# KiCad board AMC_FMC_Carrier-PcbDoc.kicad_pcb (continued)
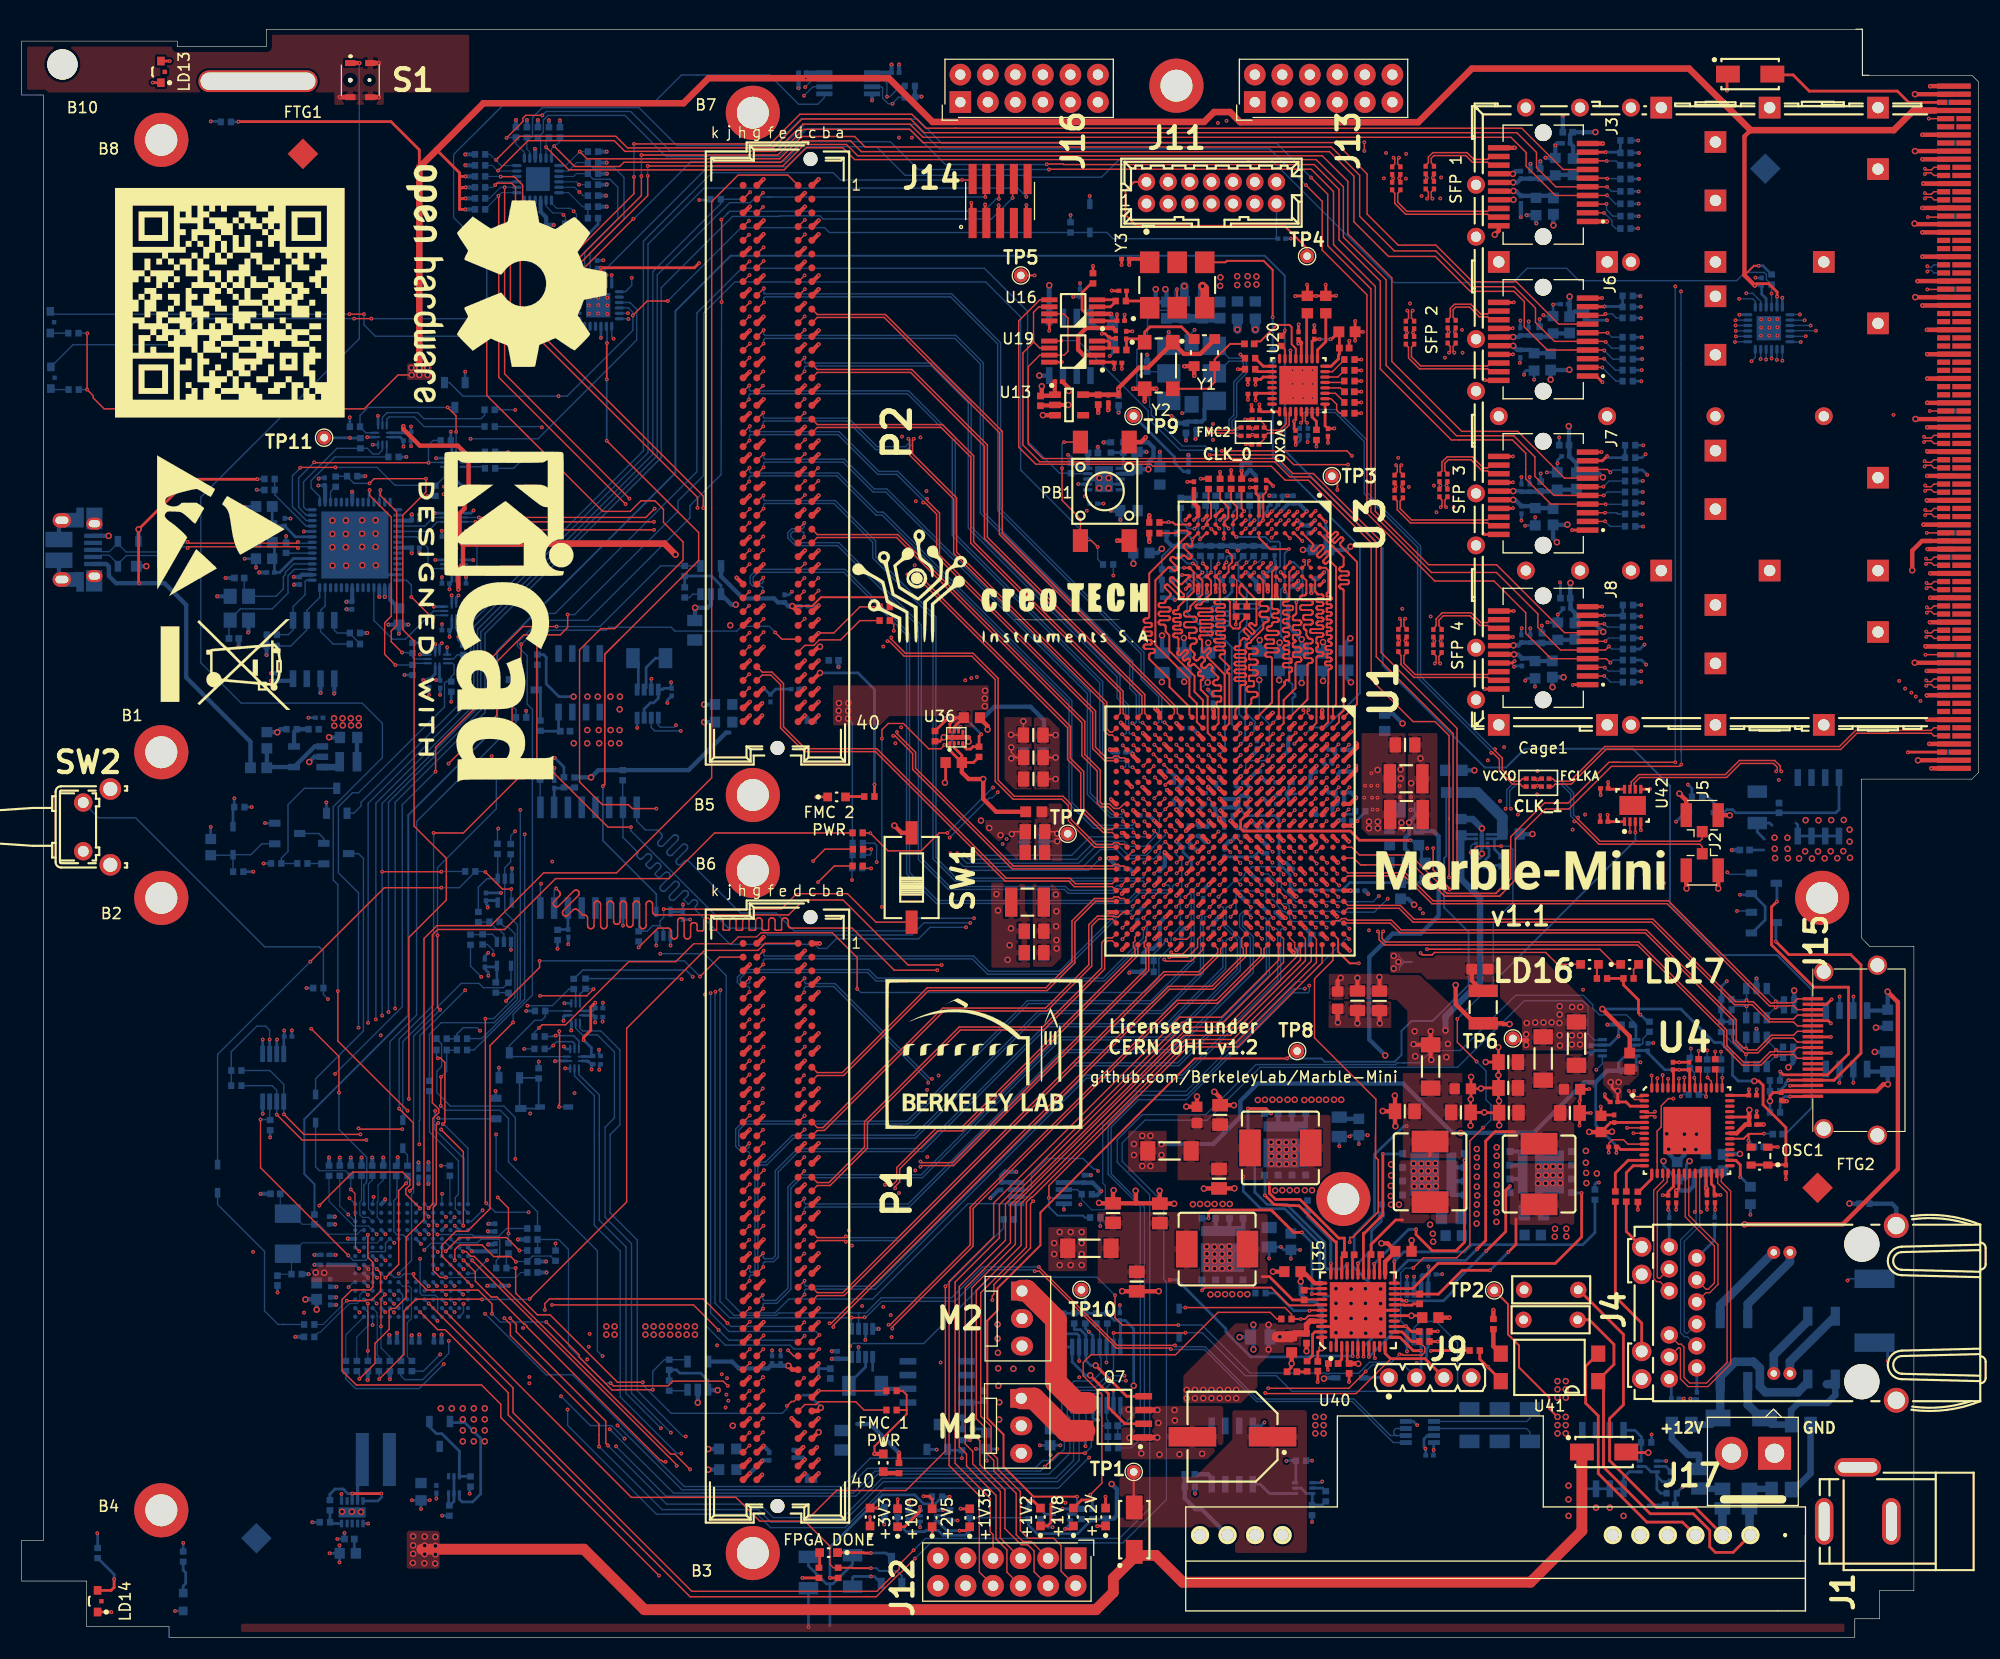
[diagram p0: board, top side]
## Routing (per net, layer and track width the routed paths; a pad name or vN(x,y) marks a point on that pad's centre or on a via; arc(x,y) is an arc through that point) (continued)
Net-(LD13-Pad2): length 9.5
  Top w0.254: v1(13.66,145.55) 13.65,145.56 LD13.2
  In2.Cu w0.254: v1(13.66,145.55) 13.66,142.79 16.46,139.99 v1(17.45,139.99)
  Bottom w0.254: v1(17.45,139.99) 18.33,139.99 R266.2
Net-(LD14-Pad1): length 51.7
  Top w0.254: v1(8.28,2.32) 8.26,2.34 LD14.1
  In2.Cu w0.127: v1(21.36,35.6) 9.88,24.12 9.88,6.21 8.7,5.03 8.66,5.03 8.66,4.99 8.28,4.61 v1(8.28,2.32)
  In5.Cu w0.127: v1(21.36,35.6) 26.31,40.55 v1(30.25,40.55)
  Bottom w0.127: v1(30.25,40.55) 30.79,40.01 U2.P1
Net-(LD14-Pad2): length 5
  Top w0.254: v1(8.53,5.37) 8.53,4.61 8.26,4.34 LD14.2
  Bottom w0.254: R267.2 7.03,7.31 8.53,5.81 v1(8.53,5.37)
Net-(LD15-Pad1): length 57.6
  Top w0.127: v1(27.47,39.87) 30.56,42.96 35.15,42.96 35.83,42.29 35.83,41.76 35.46,41.39 35.46,40.93 v1(36.78,39.61)
  In2.Cu w0.127: v1(27.47,39.87) 24.59,36.99 24.59,12.86 v1(14.15,2.43)
  Bottom w0.127: U2.N8 36.39,39.22 v1(36.78,39.61)
  Bottom w0.254: LD15.1 14.16,2.44 v1(14.15,2.43)
Net-(LD15-Pad2): length 3.1
  Bottom w0.254: R268.2 14.91,6.21 15.14,5.98 15.14,4.97 14.91,4.74 LD15.2
Net-(LD16-Pad1): length 30.9
  Top w0.127: LD16.1 141.76,62.15 140.66,63.25 130.41,63.25
  Top w0.15: 130.41,63.25 130.19,63.02 129.29,63.02 v1(129.11,63.2)
  Top w0.178: U1.C17 v1(120.53,68.46)
  In5.Cu w0.127: 129.71,65.85 129.68,67.63 128.32,68.98 123.9,68.98 123.36,68.45 122.65,68.45 122.4,68.7 120.78,68.7 v1(120.53,68.46)
  In5.Cu w0.15: 129.71,65.85 129.11,65.25 v1(129.11,63.2)
Net-(LD16-Pad2): length 1.4
  Top w0.178: R306.2 145.39,62 LD16.2
Net-(LD17-Pad1): length 42.3
  Top w0.127: 132.81,63.55 145.66,63.55 147.06,62.15 LD17.1
  Top w0.15: v1(131.8,69.06) 131.8,69.16 131.35,69.61 131.35,69.81 130.28,70.88 v1(130.28,72.88) ; 132.81,63.55 v1(129.71,63.55)
  Top w0.178: U1.D14 v1(119.53,71.46)
  In5.Cu w0.15: 130.91,73.51 v1(130.28,72.88) 129.59,72.19 128.57,72.19 ; v1(119.53,71.46) 120.26,72.19 128.57,72.19 ; 128.57,72.19 128.65,72.19 128.66,72.19 ; v1(129.71,63.55) 130.31,64.15 130.31,67.35 131.62,68.66 131.62,68.89 v1(131.8,69.06)
Net-(LD17-Pad2): length 1.5
  Top w0.15: R307.2 148.78,61.69 LD17.2
Net-(M1-Pad1): length 7.1
  Top w2: 92.28,22.06 93.43,22.06 96.42,19.08 98.09,19.08
Net-(M1-Pad3): length 15.7
  Top w0.254: 92.28,16.98 92.43,16.98
  In2.Cu w0.254: 92.28,16.98 92.43,16.98 96.37,20.92 96.37,24.27 v1(97.61,25.51)
  In5.Cu w0.254: 92.28,16.98 92.43,16.98
  Bottom w0.254: R175.2 96.14,28.38 96.49,28.03 97.42,28.03 97.6,27.85 U27.2 97.6,25.53 v1(97.61,25.51)
Net-(M2-Pad1): length 13.8
  Top w2: 92.3,32.02 92.78,32.02 95.47,29.33 95.47,23.56 97.37,21.65 98.41,21.65
Net-(M2-Pad3): length 9.2
  In2.Cu w0.254: v1(98.49,28.22) 97.2,26.94 92.3,26.94
  Bottom w0.254: R177.2 98.17,28.54 v1(98.49,28.22) 98.49,28.22 98.87,27.85 U27.4 98.85,26.79
Net-(P1-Padc34): length 7.1
  Top w0.127: v1(73.56,22.77) R297.2
  Top w0.381: v1(73.56,22.77) 72.96,22.17 P1.c34
Net-(P1-Padd35): length 8.8
  Top w0.127: R298.2 77.75,20.99 76.99,21.75 73.56,21.75 73.3,21.5 72.29,21.5 71.69,20.9 P1.d35
Net-(P2-Padc34): length 7.5
  Top w0.127: R299.2 77.37,95.16 74.95,92.75 v1(73.56,92.75)
  Top w0.381: v1(73.56,92.75) 72.99,92.18 P2.c34
Net-(P2-Padd35): length 8.8
  Top w0.127: R300.2 77.37,93.89 75.59,92.11 73.62,92.11 73.11,91.6 72.29,91.6 71.67,90.98 P2.d35
Net-(Q1-Pad2): length 6
  Bottom w0.254: 150.93,14.88 150.93,13.66 151.28,13.31 R104.1 ; 150.93,14.88 151.45,14.36 R107.1 ; 150.93,14.88 Q1.6 150.39,15.29 149.89,15.79 Q1.2
Net-(Q1-Pad3): length 4.2
  Bottom w0.254: 147.85,19.12 148.9,19.12 149.5,18.52 149.5,18.03 R108.1 149.48,16.42 Q1.3
Net-(Q1-Pad5): length 1.5
  Bottom w0.254: R107.2 151.75,15.79 Q1.5
Net-(Q6-Pad3): length 16.6
  Top w0.127: v1(40.1,111.31) 40.09,111.32 40.09,112.8 v1(39.32,113.58)
  Bottom w0.127: U26.2 40.1,111.31 v1(40.1,111.31) ; U33.2 31.77,111.24 31.23,111.78 R204.2 31.23,112.84 31.97,113.58 v1(39.32,113.58) 40.04,113.58 40.1,113.51
Net-(Q7-Pad2): length 14.3
  Top w0.254: v2(98.63,24.19) 98.63,24.18 100.31,22.51 100.31,21.25 101.83,19.72 103.56,19.72
  Bottom w0.254: R174.2 95.12,28.2 96.51,26.82 U27.1 96.96,25.43 98.2,24.19 v2(98.63,24.19)
Net-(Q7-Pad4): length 10.9
  Top w0.254: v2(99.14,25.11) 101.98,22.26 Q7.4
  Bottom w0.254: R176.2 97.15,28.44 97.18,28.41 97.73,28.41 98.23,27.9 U27.3 98.23,25.55 98.68,25.11 v2(99.14,25.11)
Net-(Q8-Pad3): length 3.5
  Bottom w0.254: Q8.3 85.13,19.65 85.55,19.24 R202.2 R213.1
Net-(Q9-Pad3): length 5
  Bottom w0.254: R214.1 47.88,87.26 47.83,87.31 ; Q9.3 47.57,87.56 47.57,89.78
Net-(Q14-Pad1): length 1.5
  Bottom w0.127: R269.2 27.85,71.46 Q14.1
Net-(Q14-Pad2): length 2.9
  Bottom w0.127: Q14.2 27.88,73.78 27.43,74.23 Q18.3
Net-(Q15-Pad2): length 4.1
  Bottom w0.254: Q15.2 Q15.5 39.9,12.56 39.51,12.17 R171.1 39.4,12.23 Q15.6
Net-(Q15-Pad3): length 7.4
  Bottom w0.254: 37.48,19.83 37.48,19.61 38.28,18.81 38.79,18.81 40.4,17.19 Q15.3 41.34,14.87 41.35,14.86
Net-(Q16-Pad5): length 4.4
  Bottom w0.254: U17.1 78.55,24.64 ; 78.92,23.66 R182.1
  Bottom w0.4: Q16.6 79.63,22.95 R182.1
Net-(Q17-Pad3): length 13.2
  Bottom w0.127: U9.2 45.35,53.63 Q17.3 45.01,54.62 47.37,56.98 48.01,56.98 48.32,57.3 R131.2 48.33,57.84 U8.2
Net-(Q22-Pad2): length 4.3
  Bottom w0.254: R184.1 120.04,12.22 R181.1 119.12,12.25 Q22.6 118.58,13.28 118.08,13.78 Q22.2
Net-(Q22-Pad3): length 8.6
  In2.Cu w0.254: v1(114.71,19.85) 116.23,18.33 116.23,16.8 v1(116.74,16.29)
  Bottom w0.254: Q22.3 117.61,14.35 R212.1 116.77,16.32 v1(116.74,16.29) ; Q4.4 114.39,19.53 v1(114.71,19.85)
Net-(Q22-Pad5): length 1.4
  Bottom w0.254: Q22.5 120.07,13.78 R184.2
Net-(Q23-Pad5): length 3.2
  Bottom w0.254: U32.1 56.92,87.63 56.92,89.93 R183.1
Net-(Q24-Pad1): length 21.1
  Bottom w0.127: Q24.1 30.65,76.1 31.32,76.77 31.32,77.1 40.77,86.55 R273.2 40.22,90.73 39.84,90.35 U24.4
Net-(Q24-Pad3): length 12.3
  Bottom w0.127: Q24.3 26.09,78.4 24.59,76.9 24.59,72.58 23.96,71.96 R271.1 R269.1
Net-(Q26-Pad2): length 1.4
  Bottom w0.254: 84.5,11.24 85.13,11.24 85.63,11.73 R247.2
Net-(Q26-Pad5): length 1.2
  Bottom w0.254: 82.92,11.24 82.3,11.24 R250.2
Net-(Q27-Pad2): length 1.3
  Bottom w0.254: 96.73,11.37 97.26,11.37 97.71,10.92 R253.2
Net-(Q27-Pad5): length 1.3
  Bottom w0.254: R255.2 94.5,11.37 95.14,11.37
Net-(R28-Pad1): length 2.9
  Top w0.118: U3.L8 112.15,97.6 112.15,97.08 112.14,97.07 112.14,95.66 112.09,95.61 R28.1
Net-(R30-Pad1): length 2.9
  Bottom w0.254: R30.1 R31.1 101.68,107.97 101.68,107.96 U31.1
Net-(R43-Pad1): length 2.4
  Bottom w0.102: R43.1 46.4,130.56 46.9,131.06 U5.23
Net-(R44-Pad1): length 2.2
  Bottom w0.102: U5.22 47.4,130.56 R44.1
Net-(R64-Pad1): length 11.8
  Top w0.127: U4.8 148.77,46.55 v1(148.77,46.55)
  In2.Cu w0.127: v1(149.4,53.1) 149.4,51.7 148.94,51.24 148.39,51.24 147.86,50.71 147.86,47.94 148.77,47.03 v1(148.77,46.55)
  Bottom w0.127: 148.98,52.32 148.98,53.08 149,53.1 v1(149.4,53.1)
  Bottom w0.254: 149.02,53.66 149.02,52.36 148.98,52.32 R64.1
Net-(R65-Pad2): length 2.3
  Top w0.254: U4.15 150.46,42.35 149.26,41.15 R65.2
Net-(R66-Pad2): length 3.6
  Top w0.254: v1(158.62,42.49) 158.62,43.64 158.21,44.05 U4.30
  Bottom w0.254: R66.2 158.67,42.49 v1(158.62,42.49)
Net-(R67-Pad2): length 3.7
  Top w0.254: R67.2 148.11,42.91 148.74,43.55 U4.14
Net-(R92-Pad2): length 3.8
  Top w0.254: U16.4 100.87,123.52 R92.2 100.98,123.34 100.5,122.87 U16.3
Net-(R93-Pad2): length 3.6
  Top w0.254: R93.2 100.86,119.06 100.41,119.06 ; U19.3 100.41,119.06 ; 100.41,119.06 100.41,119.55 100.26,119.71 U19.4
Net-(R94-Pad2): length 1.8
  Top w0.254: U20.7 119.11,112.69 119.51,112.29 R94.2
Net-(R95-Pad1): length 1.3
  Top w0.178: R95.1 116.61,118.9 U20.23
Net-(R96-Pad2): length 1.9
  Top w0.254: U20.25 114.59,117.38 R96.2
Net-(R97-Pad2): length 1.6
  Top w0.254: U20.26 114.08,116.88 R97.2
Net-(R98-Pad2): length 1.8
  Top w0.127: R98.2 121.95,115.88 U20.13
Net-(R99-Pad2): length 2
  Top w0.127: R99.2 122.08,116.98 121.48,116.38 U20.14
Net-(R100-Pad2): length 2.3
  Top w0.127: U20.15 120.99,116.88 122.08,117.98 R100.2
Net-(R101-Pad2): length 2.7
  Top w0.127: R101.2 121.64,113.04 121.37,113.31 121.37,113.87 120.86,114.38 U20.10
Net-(R102-Pad2): length 2.1
  Top w0.127: R102.2 122.08,114.05 121.25,114.88 U20.11
Net-(R103-Pad1): length 14.1
  Top w0.178: Y3.4 111.1,126.98 111.24,127.11 114.63,127.11 115.47,126.28 v1(115.47,121.91)
  Bottom w0.178: v1(115.47,121.91) R103.1
Net-(R109-Pad2): length 2.2
  Bottom w0.254: R109.2 28.46,11.72 R110.1 28.58,10.51 U18.5
Net-(R112-Pad2): length 6.1
  Bottom w0.127: R112.2 R116.1 23.35,105.52 26.25,102.63 U23.11
Net-(R113-Pad2): length 3.9
  Bottom w0.127: R114.1 31.23,91.75 30.29,92.69 R113.2 29.13,92.75 28.85,93.02 U21.4
Net-(R114-Pad2): length 7.4
  Bottom w0.127: U23.55 28.01,95.24 28,95.24 27.58,94.83 U21.3 27.58,92.89 28.74,91.73 R114.2
Net-(R115-Pad2): length 7.8
  Bottom w0.127: R115.2 24.83,91.54 26.31,93.02 26.31,94.83 27.51,96.02 U23.56
Net-(R117-Pad2): length 7.3
  Bottom w0.127: U23.1 26.28,97.63 26.16,97.5 26.16,96.29 25.04,95.17 U21.1 25.04,93.02 24.62,92.6 R117.2
Net-(R118-Pad2): length 2.8
  Bottom w0.4: R118.2 R119.1 25.14,83.61 U22.5
Net-(R120-Pad2): length 2.4
  Bottom w0.127: U23.6 24.43,100.13 R120.2
Net-(R121-Pad2): length 21.9
  Top w0.127: 34.51,89.8 v1(34.49,89.79) 33.5,90.78 33.5,93.69 34.11,94.29 34.11,103.45 32.11,105.45 v1(32.11,105.95)
  Bottom w0.127: U24.8 36.23,89.95 R121.2 36.07,89.79 v1(34.49,89.79) ; U23.24 32.01,105.84 v1(32.11,105.95)
Net-(R122-Pad2): length 21.5
  Top w0.127: v1(28.97,108.04) 25.74,108.04 v1(25.7,108)
  Bottom w0.127: U26.8 39,107.15 38.24,106.39 34.45,106.39 32.8,108.04 v1(28.97,108.04) ; v1(25.7,108) 25.53,107.83 25.53,107.8 24.99,107.26 24.99,104.42 26.28,103.13 U23.12
Net-(R123-Pad2): length 20.3
  Top w0.127: v1(35.11,90.95) 34.11,91.95 34.11,92.95 34.61,93.45 34.61,103.95 33.11,105.45 v1(33.11,105.95)
  Bottom w0.127: U24.9 36.21,90.35 36.08,90.48 R123.2 35.64,90.89 35.59,90.95 v1(35.11,90.95) ; v1(33.11,105.95) 33.01,105.84 U23.26
Net-(R124-Pad2): length 21.3
  Top w0.127: v1(37.55,108.47) 27.04,108.47 v1(27,108.51)
  Bottom w0.127: U23.13 26.28,103.63 25.56,104.35 25.56,107.06 26.82,108.32 26.82,108.33 v1(27,108.51) ; R124.2 37.97,110.53 37.55,110.11 v1(37.55,108.47) 37.58,108.5 U26.9
Net-(R125-Pad2): length 12.6
  Bottom w0.127: U23.14 26.28,104.13 26.02,104.39 26.02,106.72 29.11,109.8 R125.2 31.9,109.8 32.42,109.28 32.95,109.28 33.3,109.64 U33.9
Net-(R126-Pad2): length 11.5
  Bottom w0.127: U33.8 33.7,109.15 R126.2 28.9,109 26.72,106.82 26.72,106.14 27.51,105.35 U23.15
Net-(R135-Pad2): length 9.2
  Bottom w0.102: v1(38.38,37.2) 38.18,37.4
  Bottom w0.127: 38.18,37.4 37.99,37.59 U2.L10 ; v1(38.38,37.2) 41.57,37.2 41.72,37.05 44.04,37.05 44.75,37.76 R135.2
Net-(R136-Pad2): length 2.6
  Bottom w0.102: R136.2 39.52,40.07 U2.P12
  Bottom w0.127: U2.P12 39.59,40
Net-(R148-Pad2): length 8.2
  Bottom w0.102: 35.17,30.76 35.17,26.09 35,25.92 R148.2 ; 35.17,30.76 35.17,31.27 ; 35.17,30.76 35.17,31.63 ; 35.17,31.27 35.17,31.37 ; 35.17,31.27 35.17,31.63 ; 35.17,31.63 U2.D6
  Bottom w0.127: 35.15,31.64 34.79,32 U2.D6
Net-(R149-Pad2): length 8.5
  Bottom w0.102: U2.E6 35.17,32.43 35.77,32.43 35.97,32.23 35.97,29.42 35.59,29.05 35.59,25.93 36,25.53 R149.2
  Bottom w0.127: U2.E6 34.8,32.81
Net-(R150-Pad2): length 4.8
  Bottom w0.102: R150.2 29.92,27.94 U2.A2
  Bottom w0.127: U2.A2 31.59,29.61
Net-(R151-Pad2): length 10.8
  Top w0.127: v1(35.49,41.93) 34.8,41.24 34.8,34.43 v1(33.58,33.21)
  Bottom w0.127: v1(33.58,33.21) 33.19,33.6 U2.F4 ; v1(35.49,41.93) 35.61,42.06 R151.2
Net-(R152-Pad2): length 10.1
  Top w0.127: v1(32.77,34.02) 33.13,33.66 33.13,31.98 32.32,31.16 31.79,31.16 31.72,31.09 v1(30.01,31.09)
  Bottom w0.102: v1(30.01,31.09) 27.81,28.89 R152.2
  Bottom w0.127: U2.G3 32.39,34.4 v1(32.77,34.02)
Net-(R153-Pad2): length 5.2
  Bottom w0.102: 32.81,29.67 32.81,26.08 32.97,25.92 R153.2 ; 32.81,29.67 32.81,29.74 ; 32.81,29.67 32.81,29.98 U2.B3
  Bottom w0.127: U2.B3 32.39,30.39
Net-(R154-Pad2): length 5.6
  Bottom w0.102: 31.85,30.14 31.9,30.09 ; 31.9,30.09 31.9,30.09 U2.B2 ; 31.9,30.09 32.01,29.98 32.01,28.82 30.94,27.75 R154.2
  Bottom w0.127: U2.B2 31.59,30.4
Net-(R155-Pad2): length 9.1
  Top w0.127: v1(39.14,35.65) 40.41,36.92 44.75,36.92 v1(45.95,35.72)
  Bottom w0.102: R155.2 v1(45.95,35.72)
  Bottom w0.127: U2.J11 38.79,36 v1(39.14,35.65)
Net-(R156-Pad2): length 4.8
  Top w0.254: R156.2 147.09,42.86 148.28,44.05 U4.13
Net-(R161-Pad1): length 10.5
  Top w0.4: v1(117.41,78.33) 117.04,77.96 U1.F8
  In2.Cu w0.254: v1(117.41,78.33) 117.83,77.91 118.73,77.91 119.01,77.64 119.01,75.21 119.29,74.93 122.02,74.93 122.47,75.37 v1(123.29,75.37)
  Bottom w0.254: 123.99,76.19 123.29,75.49 v1(123.29,75.37)
Net-(R168-Pad2): length 8.7
  Top w0.254: v1(88.57,83.4) 88.37,83.2 R168.2 87.8,82.25 87.59,82.03 87.2,82.03 86.87,82.36 U36.4 ; v1(85.24,84.87) 85.24,84.63 R189.1
  Bottom w0.254: v1(88.57,83.4) 87.1,84.87 v1(85.24,84.87)
Net-(R190-Pad2): length 5.9
  Top w0.178: v1(118.87,30.16) 118.91,30.21 U35.39
  Bottom w0.254: R190.2 115.8,31.79 117.42,30.16 v1(118.87,30.16)
Net-(R191-Pad2): length 8.5
  Top w0.254: v1(120.83,34.5) 120.84,34.49 U35.33
  Bottom w0.254: 120.81,36.3 120.83,36.28 v1(120.83,34.5) 120.83,36.71 118.69,38.86 R191.2
Net-(R192-Pad2): length 6.4
  Top w0.254: v1(123.34,34.54) 123.34,34.54 U35.28
  Bottom w0.254: R192.2 125.5,38.44 124.59,37.53 124.59,35.78 v1(123.34,34.54)
Net-(R193-Pad2): length 3.6
  Top w0.254: U35.43 119.37,28.21 119.15,27.99 119.15,26.01 R193.2
Net-(R194-Pad2): length 25.4
  Top w0.254: U35.22 v1(126.69,34.7)
  Bottom w0.254: 126.57,35.42 126.69,35.3 v1(126.69,34.7) 127.59,35.6 133.17,35.6 133.83,36.26 144.09,36.26 145.21,37.38 R194.2
Net-(R195-Pad2): length 3.3
  Bottom w0.254: U37.4 135.43,72.81 135.43,72.14 135.14,71.85 R196.1 136.51,71.28 R195.2
Net-(R197-Pad2): length 7.6
  Bottom w0.4: U40.9 108.92,11.82 108.36,11.82 107.35,12.83 R198.1 107.35,15.02 R197.2
Net-(R200-Pad2): length 1.6
  Bottom w0.127: R200.2 28.96,106.25 28.51,105.8 U23.17
Net-(R210-Pad2): length 2.6
  Bottom w0.127: U30.1 47.85,76.67 R210.2
Net-(R259-Pad2): length 1.6
  Bottom w0.127: U44.3 61.95,96.32 61.94,96.33 61.64,96.02 R259.2
Net-(R261-Pad2): length 1.7
  Bottom w0.127: U45.3 61.36,22.77 R261.2
Net-(R262-Pad2): length 1.8
  Bottom w0.127: R262.2 150.24,55.89 149.63,55.28 149.63,54.85 149.53,54.75 149.24,54.75
Net-(R263-Pad2): length 260.3
  In2.Cu w0.127: 166.17,32.96 154.79,21.58 115.59,21.58 109.02,15 107.21,15 100.99,8.78 81.79,8.78 80.72,9.84 69.37,9.84 68.36,10.86 53.82,10.86 40.66,24.02 37.49,24.02 34.44,27.06 32.61,27.06 31.75,27.93 26.52,27.93 25.32,29.12 25.32,35.98 28.12,38.77 28.12,39.71 27.41,40.42 27.41,58.08 v1(28.27,58.94) 34.64,58.94 37.98,55.61 37.98,48.8 v1(38.16,48.61)
  In2.Cu w0.15: 166.17,32.96 v1(168.53,32.96)
  Bottom w0.127: 27.46,63.77 22.43,63.77 10.51,75.68 7.1,75.68 SW2.2 ; 27.46,63.77 27.85,63.37 ; 27.46,63.77 27.77,63.45 ; 27.77,63.45 27.81,63.41 ; 27.77,63.45 27.85,63.37 ; 40.82,44.2 38.11,46.92 38.11,48.31 38.16,48.37 v1(38.16,48.61) ; 40.82,44.2 40.82,39.57 U2.N14 ; 40.82,44.2 40.82,44.23 ; 27.85,63.37 R263.2 27.85,59.36 v1(28.27,58.94) ; 169.7,32.96 169.7,32.96 172.24,32.96
  Bottom w0.15: v1(168.53,32.96) 168.68,33.11 SW3.2
Net-(R274-Pad2): length 4.3
  Bottom w0.102: R42.1 51.76,132.12 50.47,133.41 U5.18
  Bottom w0.127: R42.1 R274.2
Net-(R281-Pad1): length 2.5
  Top w0.4: U41.3 135.84,26.88 R281.1
Net-(R283-Pad2): length 35.7
  Top w0.112: v1(106.53,74.49) 106.05,74.96 U1.U11
  Top w0.13: R286.1 78.31,74.28 v1(78.33,74.26) 79.96,72.63 83.03,72.63 84.68,74.28 v1(85.44,74.28)
  In2.Cu w0.127: v1(106.53,74.49) 105.88,75.13 105.88,75.64 105.7,75.82 104.23,75.82 104.07,75.97 101.37,75.97 100.97,76.37 91.22,76.37 89.66,77.93 v1(89.66,78.47)
  Bottom w0.127: v1(85.44,74.28) 89.64,78.47 v1(89.66,78.47)
  Bottom w0.13: v1(78.33,74.26) 77.66,74.26 R283.2
Net-(R284-Pad1): length 32.3
  Top w0.127: v1(78.41,72.78) R287.1
  Top w0.13: v1(105.54,75.48) 106.02,75.96 U1.U10
  In2.Cu w0.127: v1(105.54,75.48) 105.54,74.96 104.45,73.88 97.46,73.88 96.64,73.05 92.27,73.05 91.61,73.71 91.16,73.71 91.16,73.72 v1(90.91,73.72)
  In5.Cu w0.127: 90.8,72.78 78.41,72.78 v1(78.41,72.78)
  In5.Cu w0.15: v1(90.91,73.72) 90.91,72.88 90.8,72.78
  Bottom w0.13: v1(78.41,72.78) 78.41,72.38 78.28,72.25 R284.1
Net-(R285-Pad1): length 33.5
  Top w0.13: v1(78.41,71.01) 77.86,71.01 R288.1 ; v1(105.56,76.47) 106.03,76.94 U1.U9
  In5.Cu w0.13: 85.67,71.01 v1(78.41,71.01)
  In5.Cu w0.15: v1(86.97,72.3) 85.67,71.01
  Bottom w0.127: v1(86.97,72.3) 87.43,71.84 97.38,71.84 99.06,73.52 101.75,73.52 102.22,73.05 103.72,73.05 104.77,74.1 104.77,74.16 105,74.38 105,75.91 v1(105.56,76.47)
  Bottom w0.13: v1(78.41,71.01) 78.36,71.06 R285.1
Net-(R291-Pad1): length 1.7
  Top w0.13: U4.43 156.96,51.66 v1(156.97,51.68)
  Bottom w0.13: R291.1 156.97,52.3 v1(156.97,51.68)
Net-(R292-Pad1): length 1.6
  Top w0.127: v1(155.47,49.92) 155.47,50.74 U4.46
  Bottom w0.127: v1(155.47,49.92) 155.27,50.13 R292.1
Net-(R293-Pad1): length 1.8
  Top w0.127: U4.44 156.46,52.3 R293.1
Net-(R294-Pad1): length 1.8
  Top w0.127: v1(155.6,51.7) 155.96,51.34 U4.45
  Bottom w0.127: R294.1 155.6,52.4 v1(155.6,51.7)
Net-(R295-Pad1): length 1.8
  Top w0.127: R295.1 154.96,52.28 U4.47
Net-(R296-Pad1): length 2
  Top w0.127: U4.48 154.46,51.6 v1(154.38,51.68)
  Bottom w0.127: R296.1 154.38,52.17 v1(154.38,51.68)
Net-(R311-Pad2): length 43
  Top w0.127: 119.73,61.99 112.27,54.52 107.62,54.52 94.81,41.71 v1(94.81,40.58)
  Top w0.13: U1.C22 120.03,62.28 119.73,61.99
  Bottom w0.127: v1(94.81,40.58) 96.08,40.58 U47.3
  Bottom w0.178: R311.2 98.15,38.76 97.96,38.95 95.61,38.95 94.81,39.75 v1(94.81,40.58)
Net-(R312-Pad2): length 43.4
  Top w0.102: U1.A21 122.04,64.96 v1(122.51,64.48)
  Bottom w0.102: R312.2 97.84,40.41 98.76,39.48 99.91,39.48 100.01,39.59 100.01,41.71 99.79,41.94 99.79,47.55 102.67,50.43 107.48,50.43 117.61,60.56 118.28,60.56 122.2,64.48 v1(122.51,64.48)
  Bottom w0.127: U47.2 97.41,41.35 97.42,41.35 97.42,41.35 97.84,40.94 R312.2
Net-(R313-Pad1): length 206.1
  Top w0.127: v1(58.59,76.53) 56.37,76.53 56,76.9 53.59,76.9 51.49,79 51.49,91.18 53.46,93.15 54.73,93.15 61.05,99.47 61.05,101.16 59.24,102.96 59.24,104.17 58.45,104.95 57.15,104.95 56.18,103.97 53.64,103.97 42.93,114.69 v1(42.93,122.92)
  In2.Cu w0.127: v1(58.95,63.13) 58.95,66.08 58.59,66.44 v1(58.59,76.53)
  Bottom w0.127: 62.41,144.28 60.9,144.28 58.49,141.86 44.8,141.86 39.87,136.93 39.87,131.11 42.93,128.05 v1(42.93,122.92) ; 62.41,144.28 69.01,144.28 71.71,141.58 73.48,141.58 74.09,142.18 U46.5 ; 62.41,144.28 62.27,144.28 ; v1(58.95,63.13) 63.01,63.13 65.03,61.11 65.03,31.32 66.38,29.96 69.54,29.96 70.83,31.25 78.55,31.25 87.34,40.05 U47.5 91.79,38.86 91.56,38.64
Net-(U4-Pad7): length 9.6
  Top w0.127: v1(148.18,47.05) 148.19,47.05 U4.7
  In2.Cu w0.127: v1(145.34,52.41) 145.34,49.9 v1(148.18,47.05)
  Bottom w0.127: v1(145.34,52.41) 145.9,52.97 145.9,53.71
Net-(U15-Pad8): length 6.4
  Bottom w0.127: U23.34 36.46,101.63 37.5,100.58 37.5,99.03 37.84,98.7 U15.8
Net-(U23-Pad32): length 4.6
  Bottom w0.127: U38.9 37.98,103.42 37.19,102.63 U23.32
Net-(U23-Pad33): length 4.7
  Bottom w0.127: U23.33 37.47,102.13 38.36,103.02 U38.8
Net-(U23-Pad42): length 6.5
  Top w0.127: v1(35.97,96.06) 35.98,96.06 v1(37.95,94.09)
  Bottom w0.127: U25.8 38.23,94.38 v1(37.95,94.09) ; U23.42 35.51,97.63 35.97,97.17 v1(35.97,96.06)
Net-(U23-Pad46): length 11.3
  Bottom w0.127: U23.46 32.51,93.91 34.24,92.18 35.42,92.18 38.02,94.78 U25.9
Net-(U40-Pad3): length 23.9
  Top w0.254: U40.3 153.28,10.64 150.01,10.64 145.52,15.13 145.52,20.46 144.36,21.63 144.36,25.03 145.6,26.28 146,26.28

## Copper pours and planes (outline as drawn; the poured copper is in the pictures)
+1V0 on Top: 141.58,54.19 145.16,54.19 145.16,57.92 139.75,63.33 136.6,63.36
+1V0 on Top: 134.77,63.33 134.77,60.74 138.63,56.88 142.47,56.88 142.47,57.77 136.88,63.33
+1V0 on Top: 138.48,54.19 142.47,54.19 142.47,57.24 138.48,57.24
+1V0 on Top: 123.67,83.5 127.74,83.5 127.74,74.05 124.28,74.05 123.67,74.66
+1V0 on Bottom: 123.82,74.38 127.76,74.38 127.76,76.62 124.41,76.62 124.41,75.76 123.82,75.76
+1V0 on Bottom: 115.09,90.11 115.09,84.65 116,83.73 116,76.16 105.94,76.16 105.94,86.65 104.29,88.3 104.29,90.11
+1V0 on In2.Cu: 116.61,80.05 116.61,74.71 106.45,74.71 106.45,80.05
+1V0 on In4.Cu: 143.41,54.01 145.82,54.01 145.9,70.52 143.92,72.33
+1V0 on In4.Cu: 143.97,54.01 143.97,72.3 132.26,84.01 127.35,84.01 125.75,73.7 135.74,63.79 135.74,54.01
+1V0 on In4.Cu: 106.1,75.78 115.44,75.78 116.66,74.54 117.42,73.75 127.76,73.75 127.76,84.01 122.73,84.01 118.87,80.15 106.1,80.15
+1V0 on In5.Cu: 117.25,80.2 121.21,84.16 127.18,84.16 127.79,83.55 127.79,74.38 127.15,73.75 105.69,73.75 105.69,77.99 107.9,80.2
+1V35 on Top: 94.77,37.88 98.32,37.88 98.32,33.82 94.77,33.82
+1V35 on In4.Cu: 105.49,105.88 118.82,105.88 123.67,101 123.65,85.46 118.59,80.44 108.48,80.42 108.51,80.94 108.5,84.2 107.59,85.13 92.51,85.13 88.87,81.5 88.67,48.3 99.08,37.88 99.08,33.57 91.46,33.57 81.3,43.73 81.3,86.91 86.99,92.57 103.22,92.6 103.22,105.89
+1V35 on In4.Cu: 103.22,105.65 103.23,108.34 105.3,108.34 105.3,105.64
+2V5 on Top: 89.25,85.66 89.25,87.92 74.9,87.92 74.9,84.21 79.22,84.21 80.09,85.08 85.34,85.08 86.38,84.04 88.75,84.04 89.28,84.57
+2V5 on Top: 102.13,46.77 105.69,46.77 105.69,42.96 102.13,42.96
+2V5 on Top: 93.42,84.95 94.74,84.95 95.81,83.88 95.81,78.3 93.42,78.3
+2V5 on Top: 93.29,69.61 95.12,69.61 95.96,68.77 95.96,62.75 95.12,61.91 93.34,61.91
+2V5 on Bottom: 65.15,20.03 69.65,20.03 69.65,14.59 65.18,14.59
+2V5 on Bottom: 64.74,87.13 77.95,87.13 77.95,83.25 64.74,83.25
+2V5 on Bottom: 93.52,83.5 93.52,85.2 93.01,85.71 90.32,85.71 89.28,84.67 88.26,84.67 88.26,87.79 94.92,87.79 95.83,86.91 95.83,83.45
+2V5 on Bottom: 93.52,83.73 95.5,83.73 95.83,83.71 95.83,78.8 93.52,78.8
+2V5 on Bottom: 93.34,67.47 95.96,67.47 95.96,62.75 95.12,61.91 93.34,61.91
+2V5 on In2.Cu: 74.95,86.75 76.35,86.75 76.81,86.3 76.81,84.24 74.95,84.24
+2V5 on In4.Cu: 95.07,84.8 95.07,62.06 106.45,62.01 106.45,41.95 88.92,41.95 88.92,84.8
+2V5 on In4.Cu: 116.56,72.53 116.56,61.68 93.09,61.68 93.09,72.5 93.06,72.53
+2V5 on In4.Cu: 98.63,75.81 105.89,75.78 105.89,80.28 108.33,80.28 108.33,84.8 92.91,84.8 92.94,75.76
+3V3 on Top: 132.18,58.2 132.18,52.72 127.89,52.72 127.89,57.87 126.9,58.86 126.42,58.86 126.42,58.84 120.65,58.84 120.65,61.28 128.93,61.28
+3V3 on Bottom: 104.16,125.03 106.27,125.03 106.27,122.69 104.16,122.69
+3V3 on Bottom: 120.6,61.4 123.88,61.4 123.88,58.76 120.6,58.76
+3V3 on In4.Cu: 176.22,143.93 180.11,143.93 180.11,80.05 176.1,80.05
+3V3 on In4.Cu: 146,62.75 146.1,70.8 132.49,84.37 123.8,84.34 123.75,101.1 118.8,106.18 105.56,106.21 105.56,108.62 103.02,108.62 103.02,92.87 87.05,92.87 81.05,86.91 81.05,43.6 48.54,43.6 48.54,53.76 44.35,57.95 44.35,82.97 45.36,83.98 61.24,83.98 70.38,93.13 70.38,95.92 43.59,95.92 43.59,118.02 2.82,118.02 2.82,142.15 41.81,142.15 41.81,146.34 169.44,146.34 169.44,143.93 176.3,143.93 176.3,80.05 169.06,80.05 169.06,62.78
+3V3 on In4.Cu: 50.7,20.1 50.7,1.94 171.22,1.94 171.22,4.61 173.63,4.61 173.63,62.9 144.3,62.9 144.3,53.76 135.53,53.76 135.53,63.03 129.56,68.87 128.42,68.87 128.42,61.12 116.99,61.12 116.99,61.51 106.7,61.51 106.7,41.69 99.34,41.69 99.34,33.31 91.59,33.31 80.16,44.74 48.54,44.74 48.54,41.19 50.7,39.03 50.7,26.45 115.21,26.45 117.75,28.99 130.45,28.99 130.45,22.01 118.26,22.01 116.36,20.1 71.53,20.1 71.14,20.48 70.76,20.48 70.38,20.1
+3V3 on In4.Cu: 116.84,52.67 132.21,52.67 132.21,59.63 130.5,61.33 116.84,61.33
+3V3 on In4.Cu: 124.13,71.72 124.13,63.44 126.9,60.67 126.9,58.58 116.86,58.58 116.86,71.72
+3V3_CLEAN on Bottom: 109.73,122.57 109.83,122.59 114.68,122.64 114.68,126.07 109.73,126.1
+3V3_CLEAN on In5.Cu: 97.56,128.05 120.65,128 123.21,125.51 124.15,124.59 124.13,114.03 119.91,109.77 116.1,109.77 112.24,112.46 93.7,112.46 93.75,125.01
+3V3_USB on Bottom: 27.08,83.3 29.92,83.3 30.28,82.94 30.28,79.74 31.88,79.74 31.88,85.03 31.47,85.43 27.08,85.43
+3V3_USB on In2.Cu: 19.33,80.05 19.33,70.14 23.9,70.14 25.17,71.41 25.17,76.75 29.23,80.81
+3V3_USB on In2.Cu: 41.15,112.1 41.15,88.4 32.64,79.9 19.33,79.9 19.33,112.1
+3V3P on Top: 35.58,117.64 37.87,117.64 37.87,116.12 35.58,116.12
+3V3P on Bottom: 38,21.78 43.71,21.78 43.71,17.16 40.99,17.16 38,20.15
+3V3P on In4.Cu: 43.46,95.8 70.26,95.8 70.26,93.26 61.11,84.11 45.11,84.11 44.09,83.1 44.09,57.82 48.28,53.63 48.28,41.06 50.44,38.9 50.44,26.2 115.34,26.2 117.63,28.49 130.33,28.49 130.33,22.14 118.13,22.14 116.36,20.36 50.44,20.36 50.44,1.94 20.73,1.94 13.87,2.7 8.41,2.7 8.41,9.18 2.82,9.18 2.82,117.77 43.46,117.77
+12V on Top: 107.21,21.63 112.55,21.63 114.07,23.15 114.07,25.01 115.32,26.25 118.91,26.28 118.93,29.02 112.04,28.99 107.21,24.17
+12V on Bottom: 143.03,21.5 140.99,21.5 140.99,19.6 131.85,19.6 131.85,22.39 136.68,22.39 136.68,24.17 143.03,24.17
+12V on Bottom: 107.67,36.61 117.73,36.64 117.73,39.59 114.05,39.59 112.98,40.65 107.67,40.63
+12V on Bottom: 113.61,46.29 124.05,46.29 124.05,50.33 113.61,50.33
+12V on Bottom: 135.58,45.83 139.39,45.83 139.39,36.56 135.58,36.56
+12V on Bottom: 131.09,40.49 131.67,39.9 131.67,36.41 133.88,36.41 134.92,37.45 134.92,45.71 131.09,45.71
+12V on Bottom: 50.25,87.19 55.59,87.19 55.59,82.22 50.25,82.22
+12V on Bottom: 94.14,30.64 94.14,24.55 95.81,22.89 95.81,18.17 87.41,18.17 87.41,20.37 85.83,21.96 85.83,26.97 89.5,30.64
+12V on In2.Cu: 58,87.26 58,62.24 62.74,57.51 62.74,27.1 53,27.1 53.01,52.67 50.57,54.81 49.76,54.81 49.76,87.26
+12V on In5.Cu: 89.2,13.75 84.78,13.75 80.82,9.64 60.25,9.64 58.39,9.66 52.96,15.1 52.96,29.5 62.76,29.5 62.76,23.28 65.89,20.15 77.9,20.15 89.23,31.48 89.13,31.48 89.36,31.71
+12V on In5.Cu: 160.04,50.33 160.04,21.63 117.88,21.63 117.88,13.75 88.9,13.75 88.87,34.28 104.88,50.28
+12V_AMC on Bottom: 169.39,76.67 169.39,80.4 175.61,80.4 175.61,90.69 175.11,91.2 175.11,111.52 175.54,111.95 175.54,142.94 164.57,142.94 164.57,96.46 157.83,89.73 157.83,76.67
+12V_FMC1 on Bottom: 72.67,23.2 73.84,24.37 77.47,24.37 77.47,18.88 74.65,18.88 73.68,18.05 72.21,18.05 72.21,22.8
+12V_FMC2 on Bottom: 58.39,92.75 74.92,92.75 74.91,87.99 60.72,87.99 59.89,88.33 58.42,88.33
/Power/+12VS on Bottom: 147.34,16.8 131.85,16.8 131.85,19.6 140.99,19.6 140.99,21.37 147.34,21.37
/Power/+12VS on Bottom: 120.93,18.07 108.74,18.07 108.74,21.12 120.93,21.12
/Power/+12VS on Bottom: 169.19,70.65 160.55,70.65 160.55,75.22 163.35,75.22 163.35,75.73 169.19,75.73
/Power/+12VS on In5.Cu: 169.19,13.75 118.13,13.75 118.13,21.37 160.3,21.37 160.3,76.24 169.44,76.24
GND on Top: 88.92,75.48 88.92,74.71 91.97,71.67 93.24,71.67 93.24,75.48
GND on Top: 0.41,147.1 14.12,147.1 14.12,146.6 22.88,146.6 22.88,148.25 41.3,148.25 41.3,142.66 33.43,142.66 33.43,141.52 28.85,141.52 28.85,142.66 0.41,142.66
GND on Top: 90.7,84.98 93.27,84.98 93.27,78.3 91.64,78.3 90.63,79.31 90.73,79.31
GND on Top: 120.65,58.74 126.42,58.74 126.42,56.27 120.62,56.27 120.62,56.43
GND on Top: 89.48,69.71 92.61,69.71 92.61,67.14 93.09,66.31 93.09,61.84 89.51,61.84
GND on Top: 127.94,83.5 127.94,74.05 130.68,74.05 130.68,83.5
GND on Top: 101.48,21.37 110.91,21.37 110.92,17.92 109.45,16.45 101.5,16.45
GND on Bottom: 0.41,147.1 14.12,147.1 14.12,146.6 22.88,146.6 22.88,148.25 41.3,148.25 41.3,142.66 33.43,142.66 33.43,141.52 28.85,141.52 28.85,142.66 0.41,142.66
GND on Bottom: 72.08,17.82 77.14,17.82 77.14,16.04 75.39,14.29 72.08,14.29
GND on Bottom: 120.67,58.69 123.85,58.69 123.85,56.17 120.67,56.17
GND on Bottom: 93.39,72.45 90.3,72.45 87.6,75.15 90.35,77.89 90.35,85.05 93.39,85.05
GND on Bottom: 89.56,62.01 93.09,62.01 93.09,66.71 89.56,66.71
GND on Bottom: 109.45,33.57 113.99,33.57 113.99,31.25 109.45,31.25
GND on Bottom: 115.19,43.27 119.71,43.27 119.71,40.25 115.19,40.25
GND on Bottom: 129.64,39.79 131.44,39.79 131.44,36.18 129.64,36.18
GND on Bottom: 125.3,44.16 128.02,44.16 128.02,39.61 125.3,39.61
GND on Bottom: 142.44,45.53 146.71,45.53 146.71,41.47 142.44,41.47
GND on Bottom: 139.7,40.21 143.23,40.2 143.23,36.36 139.7,36.37
GND on In1.Cu: 176.25,143.93 180.11,143.93 180.11,80.05 176.1,80.05
GND on In1.Cu: 28.98,145.58 33.3,145.58 33.3,141.52 28.98,141.52
GND on In1.Cu: 42.19,142.02 42.19,146.34 169.19,146.34 169.19,143.93 176.3,143.93 176.3,80.05 168.93,80.05 168.93,63.03 173.51,63.03 173.51,4.86 170.97,4.86 170.97,2.07 24.41,2.07 24.41,5.37 0.53,5.37 0.53,8.42 2.56,8.42 2.56,142.02
GND on In3.Cu: 176.22,142.79 180.11,142.79 180.11,80.05 176.1,80.05
GND on In3.Cu: 42.19,142.02 42.19,146.34 169.19,146.34 169.19,142.79 176.3,142.79 176.3,80.05 168.93,80.05 168.93,63.03 173.51,63.03 173.51,4.86 170.97,4.86 170.97,2.07 24.41,2.07 24.41,5.37 0.53,5.37 0.53,8.42 2.56,8.42 2.56,142.02
GND on In6.Cu: 176.22,142.79 180.11,142.79 180.11,80.05 176.1,80.05
GND on In6.Cu: 42.19,142.02 42.19,146.34 169.19,146.34 169.19,142.79 176.3,142.79 176.3,80.05 168.93,80.05 168.93,63.03 173.51,63.03 173.51,4.86 170.97,4.86 170.97,2.07 24.41,2.07 24.41,5.37 0.53,5.37 0.53,8.42 2.56,8.42 2.56,142.02
VCCAUX on Top: 93.5,71.67 96.04,71.67 96.04,77 93.5,77
VCCAUX on Bottom: 93.45,74.61 96.04,74.61 96.04,72.4 93.45,72.4
VCCAUX on In4.Cu: 114.58,74.33 115.21,73.7 115.62,73.7 115.62,72.76 95.27,72.78 95.27,75.58 108.91,75.58 108.91,74.33
VCCBRAM on Top: 126.29,63.33 134.39,63.33 134.39,60.74 129.74,60.74 129.13,61.35 126.31,61.35
VCCBRAM on Bottom: 126.31,64.2 129.44,64.2 129.44,60.34 126.31,60.34
VCCBRAM on In4.Cu: 109.35,75.7 115.16,75.7 117.25,73.62 125.58,73.62 127.68,71.51 127.68,61.43 126.31,61.43 124.33,63.42 124.33,71.42 123.99,71.74 115.67,71.77 115.67,73.65 114.93,74.38 109.35,74.38
/ESDSTRIP1 on Bottom: 20.24,1.26 20.24,0.24 168.25,0.24 168.25,1.26
/ESDSTRIP2 on Top: 20.24,1.26 20.24,0.24 168.25,0.24 168.25,1.26
/Power/Power_SW/PSS_XRP_LX1 on Top: 108.99,39.28 115.01,39.28 115.01,32.65 108.99,32.65
/Power/Power_SW/PSS_XRP_LX2 on Top: 114.88,48.25 120.83,48.25 120.83,41.72 114.88,41.72
/Power/Power_SW/PSS_XRP_LX3 on Top: 132.61,44.06 132.61,38.24 127.18,38.24 127.18,44.06
/Power/Power_SW/PSS_XRP_LX4 on Top: 137.36,43.78 143.31,43.78 143.31,38.09 137.36,38.09
/Power/Power_SW/XR77129ILB_F_VOUT1 on Top: 99.31,39.28 108.79,39.28 108.79,32.68 99.31,32.68
/Power/Power_SW/XR77129ILB_F_VOUT2 on Top: 106.68,48.27 114.55,48.27 114.55,42.2 106.68,42.2
/Power/Power_SW/XR77129ILB_F_VOUT3 on Top: 127.48,44.13 132.97,44.13 132.97,52.11 127.48,52.11
/Power/Power_SW/XR77129ILB_F_VOUT4 on Top: 141.15,53.89 145.16,53.89 145.16,49.54 141.15,49.54
/Power/Power_SW/XR77129ILB_F_VOUT4 on Top: 137.17,53.89 143.29,53.89 143.29,43.98 137.17,43.98
/SDRAM/VREF_DDR3 on Bottom: 98.95,106.24 98.95,103.6 97.15,103.6 97.15,106.24
MGTAVCC on Bottom: 119.79,81.27 119.79,74.59 120.14,74.23 127.15,74.23 127.15,69.66 118.54,69.66 116.48,71.72 116.48,81.27
MGTAVTT on Bottom: 126.01,76.81 132.36,76.81 132.36,81.9 129.86,84.4 129.86,84.61 125.98,84.61
MGTAVTT on Bottom: 119.86,82.28 122.17,84.59 129.82,84.61 129.84,76.81 124.38,76.8 123.14,74.38 120.24,74.38 119.86,74.76
VTT_DDR3 on Bottom: 106.08,107.24 106.67,107.82 113.78,107.82 115.67,105.93 115.67,104.83 107.94,104.83 107.39,104.28 106.36,104.28 106.36,99.89 105.73,99.25 105.73,97.04 104.6,97.04 102.34,99.3 102.34,104.7 101.97,105.07 100.84,105.07 100.84,107.24
Net-(C42-Pad2) on Top: 145.97,53.17 149.27,53.17 149.27,51.93 148.34,50.99 147.93,50.99 147.73,50.79 147.73,49.11 146.89,49.11 146.89,50.15 145.97,51.07
Net-(C42-Pad2) on Bottom: 146.28,51.7 149.17,51.7 151.28,49.59 158.98,49.59 159.92,48.65 159.92,46.6 157.73,44.41 157.73,40.7 157.25,40.22 150.77,40.22 149.88,41.11 149.88,45.07 146.28,48.68
Net-(C128-Pad1) on Bottom: 165.61,13.65 154.01,13.65 154.01,20.65 165.61,20.65
Net-(C128-Pad1) on Bottom: 148.36,14.52 150.39,14.52 150.39,5.88 141.25,5.88 141.25,16.04 148.36,16.04
Net-(C128-Pad1) on In2.Cu: 165.61,13.85 154.01,13.85 154.01,20.25 165.61,20.25
Net-(C128-Pad1) on In2.Cu: 168.93,5.63 140.74,5.63 140.74,14.26 168.93,14.26
Net-(C129-Pad1) on Top: 35.53,9.84 38.58,9.84 38.58,6.34 35.53,6.34
Net-(C129-Pad1) on Bottom: 31.32,11.04 31.32,10.05 31.55,9.82 38.58,9.82 38.58,6.36 30.07,6.36 30.07,9.69 30.28,9.89 30.28,11.04
Net-(C132-Pad1) on Bottom: 37.52,19.65 39.78,17.39 39.78,13.5 36.37,13.5 35.61,12.74 32.99,12.74 32.99,19.65
Net-(C199-Pad1) on Top: 32.18,34.4 32.18,32.8 26.69,32.8 26.69,34.4
Net-(C199-Pad1) on Bottom: 26.52,32.04 28.85,32.04 28.85,34 26.52,34
Net-(C350-Pad1) on Top: 101.29,10.15 111.1,10.15 111.99,9.26 111.99,7.78 118.62,7.8 118.62,20.98 111.73,20.97 111.73,18.25 108.3,14.82 101.32,14.82
Net-(C350-Pad1) on Bottom: 109.02,12.76 111.89,9.89 111.89,7.56 115.49,7.56 115.49,16.27 109.02,16.27
Net-(Q16-Pad5) on Bottom: 80.09,26.48 83.49,26.48 83.49,20.59 77.72,20.59 77.72,26.5
Net-(Q23-Pad5) on Bottom: 49.26,92.76 56.35,92.76 57.53,91.58 57.53,88.84 56.29,88.84 55.52,88.07 48.72,88.07 48.72,92.75

## Text on the board
B.SilkS: Si570 | FMC1 | EXT | CLK_0 | CLK_1 | v1.1
F.SilkS: FMC2 | VCXO | FCLKA | FMC 2 / PWR | FPGA DONE | FMC 1 / PWR | github.com/BerkeleyLab/Marble-Mini | +3V3 | +1V0 | +2V5 | +1V35 | +1V2 | +1V8 | +12V | SFP 2 | SFP 1 | SFP 4 | SFP 3 | CLK_0 | CLK_1 | GND | Licensed under / CERN OHL v1.2 | v1.1
